# Altium PCB POETIC_Processor_V2.PcbDoc (part 3 of 4) (continued)
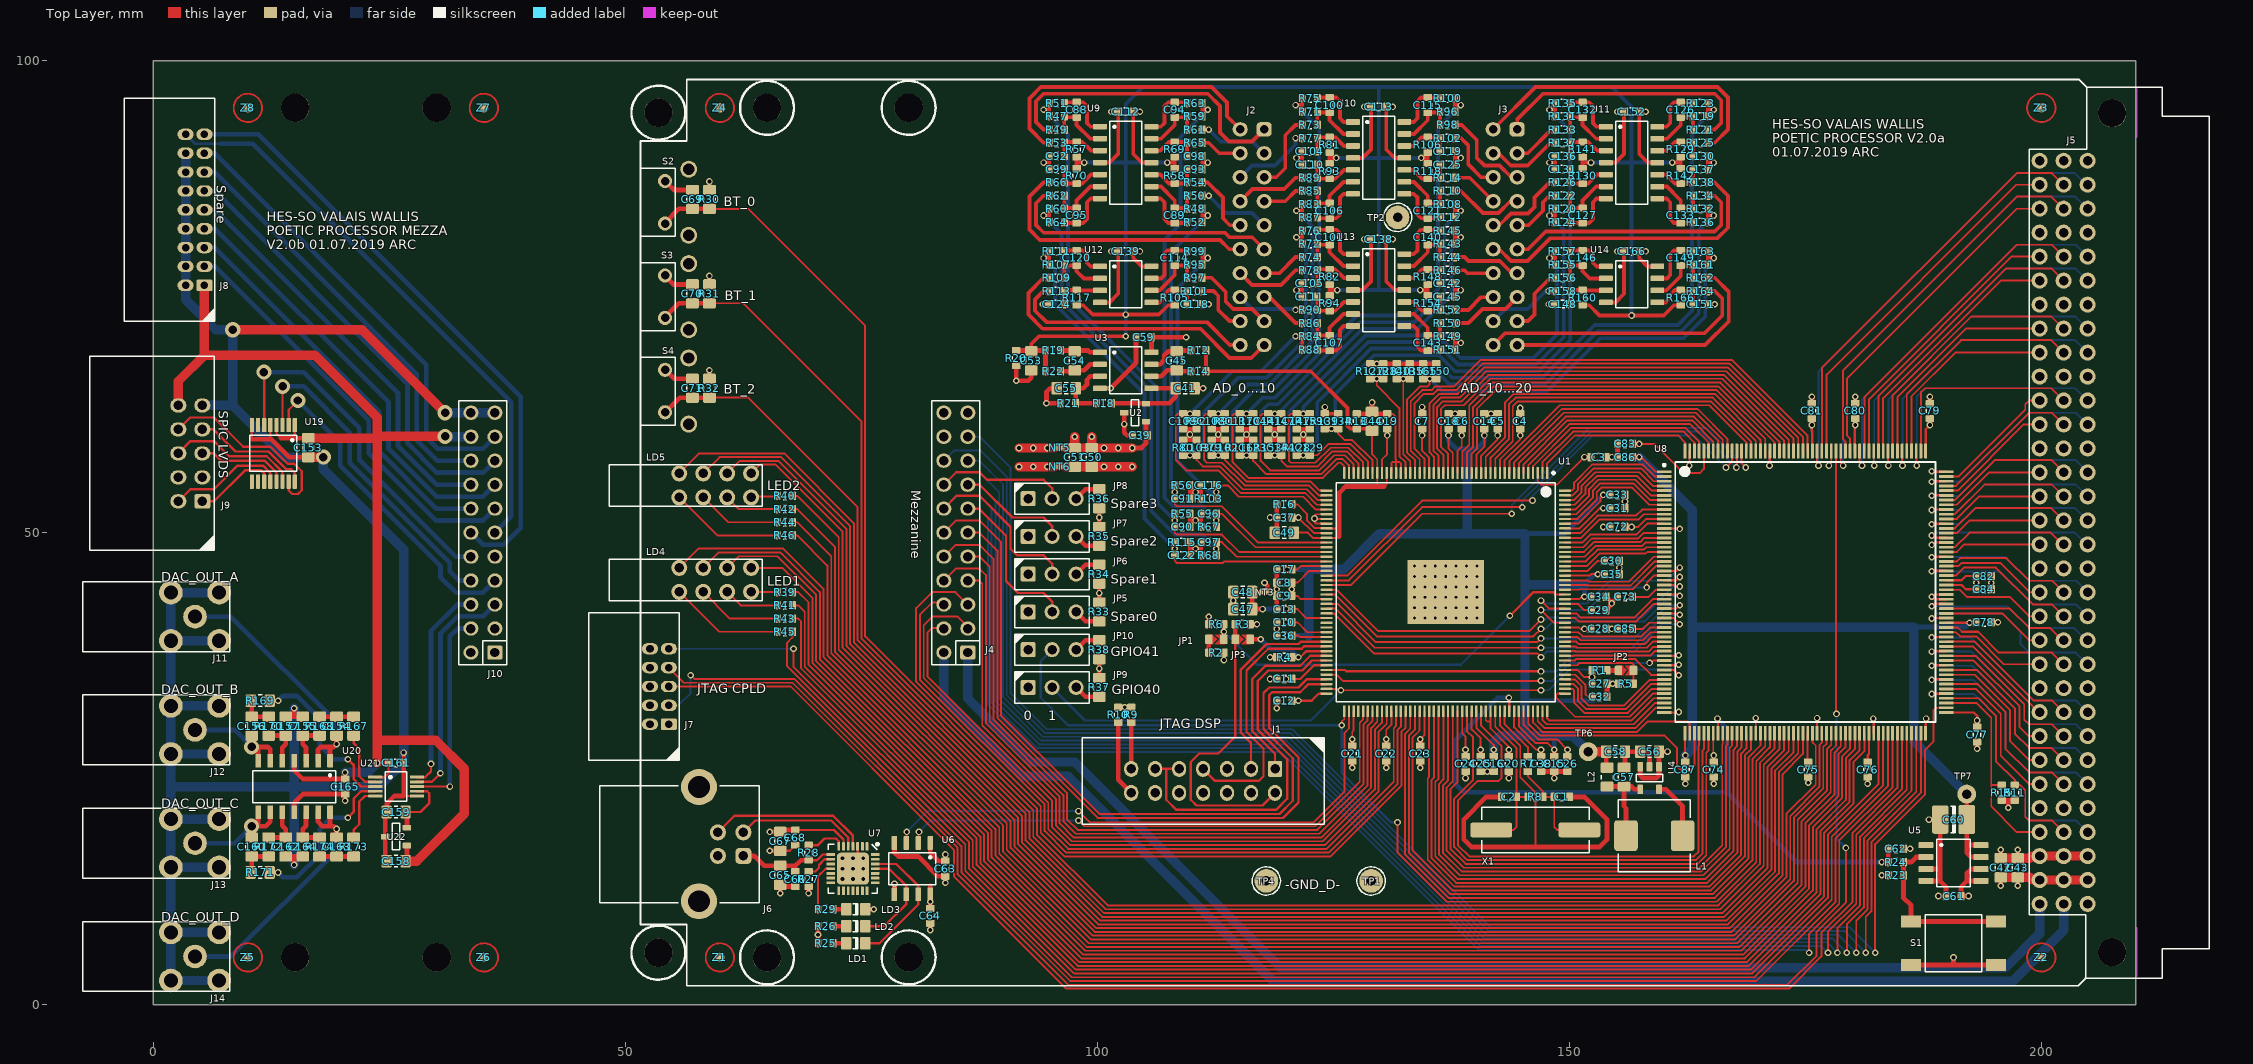
[diagram p0: Top Layer view]
## Nets (pads, with @x,y where several pads share a name; then routed paths per layer and width w, separated by ;. In a path a pad name is that pad's centre, name@x,y a point inside that pad or via, vN(x,y) a via of type N, cw(c..) or ccw(c..) an arc to the next point about the centre after c; other vN are vias at no path point) (continued)
  Bottom Layer w0.2: v1(147,38.8) 156.9,38.8 160.4,42.3 v1(161.7,42.3)
GPIO34: U1.70 U8.31 | length 42.3
  Top Layer w0.2: U1.70@124.275,41.95 125.25,41.95 129.4,37.8 v1(147,37.8) ; U8.31@160.05,41.45 161.55,41.45 v1(161.7,41.3)
  Bottom Layer w0.2: v1(147,37.8) 156.6,37.8 160.1,41.3 v1(161.7,41.3)
GPIO35: U1.71 U8.32 | length 42.7
  Top Layer w0.2: U1.71@124.275,41.45 125.05,41.45 129.3,37.2 146.6,37.2 v1(147,36.8) ; U8.32@160.05,40.95 161.05,40.95 v1(161.7,40.3)
  Bottom Layer w0.2: v1(147,36.8) 147.6,37.4 156.9,37.4 159.8,40.3 v1(161.7,40.3)
GPIO36: U1.83 U8.40 | length 39.7
  Top Layer w0.2: U1.83@124.275,35.45 126.216,35.45 126.366,35.3 ; U8.40@160.05,36.95 161.55,36.95 v1(161.6,37)
  Top Layer w0.25: 126.366,35.3 v1(147,35.3)
  Bottom Layer w0.2: v1(147,35.3) 148.6,35.3 150.3,37 v1(161.6,37)
GPIO37: U1.84 U8.41 | length 36.9
  Top Layer w0.2: U1.84@124.275,34.95 125.35,34.95 126,34.3 v1(147,34.3) ; v1(158.5,36.2) 158.6,36.2 158.85,36.45 U8.41@160.05,36.45
  Bottom Layer w0.2: v1(147,34.3) 148.2,34.3 150.1,36.2 v1(158.5,36.2)
GPIO40: JP9.2 U1.87 U8.43 | length 73.6
  Top Layer w0.2: U1.87@124.275,33.45 v1@125.8,33.45 ; v1(125.8,33.3) v1(147,33.3) ; U8.43@160.05,35.45 161.05,35.45 v1(161.6,34.9)
  Bottom Layer w0.2: v1(147,33.3) 147.8,33.3 150,35.5 161,35.5 v1(161.6,34.9)
  Bottom Layer w0.25: JP9.2@95.2,33.6 98.7,30.1 122.6,30.1 v1(125.8,33.3)
GPIO41: JP10.2 U1.89 U8.71 | length 112.8
  Top Layer w0.2: v1(125.9,29.6) 125.9,30 126.15,30.25 U1.89@126.15,31.075 ; v1(131.8,19.3) 131.8,16.11 137.01,10.9 165.6,10.9 169.8,15.1 169.8,25.8 171.25,27.25 U8.71@171.25,28.75
  Bottom Layer w0.25: JP10.2@95.2,37.6 94,36.4 94,32.5 96.9,29.6 v1(125.9,29.6) 125.9,24.501 131.101,19.3 v1(131.8,19.3)
GPIO42: U1.130 U8.51 | length 15.6
  Top Layer w0.2: U1.130@146.65,31.075 146.65,30.041 147.391,29.3 157,29.3 159.15,31.45 U8.51@160.05,31.45
GPIO43: U1.131 U8.50 | length 14.9
  Top Layer w0.2: U1.131@147.15,31.075 147.15,30.178 147.628,29.7 156.8,29.7 159.05,31.95 U8.50@160.05,31.95
GPIO44: U1.113 U8.58 | length 56.1
  Top Layer w0.2: U1.113@138.15,31.075 138.15,23.55 137.4,22.8 137.4,16.5 139,14.9 163.6,14.9 164.5,15.8 164.5,26.7 164.75,26.95 U8.58@164.75,28.75
GPIO45: U1.115 U8.57 | length 55.5
  Top Layer w0.2: U1.115@139.15,31.075 139.15,28.95 139.8,28.3 139.8,23.8 137.8,21.8 137.8,16.7 139.2,15.3 163.4,15.3 164.1,16 164.1,26.9 164.25,27.05 U8.57@164.25,28.75
GPIO46: U1.128 U8.55 | length 25.7
  Top Layer w0.2: U1.128@145.65,31.075 145.65,29.768 146.918,28.5 160.1,28.5 161.4,27.2 161.4,25.3 161.8,24.9 162.85,24.9 163.25,25.3 U8.55@163.25,28.75
GPIO47: U1.129 U8.54 | length 19.7
  Top Layer w0.2: U1.129@146.15,31.075 146.15,29.905 147.155,28.9 157.2,28.9 158.3,30 162.5,30 162.75,29.75 U8.54@162.75,28.75
GPIO58: U1.103 U8.70 | length 69.8
  Top Layer w0.2: U1.103@133.15,31.075 133.15,29.25 132.6,28.7 132.6,15.876 137.176,11.3 165.424,11.3 169.4,15.276 169.4,26 170.75,27.35 U8.70@170.75,28.75
GPIO59: U1.104 U8.69 | length 68.4
  Top Layer w0.2: U1.104@133.65,31.075 133.65,29.15 133,28.5 133,16.1 137.4,11.7 165.2,11.7 169,15.5 169,26.2 170.25,27.45 U8.69@170.25,28.75
GPIO60: U1.105 U8.67 | length 66.8
  Top Layer w0.2: U1.105@134.15,31.075 134.125,31.05 134.125,29.025 133.4,28.3 133.4,16.3 137.6,12.1 165,12.1 168.6,15.7 168.6,26.4 169.25,27.05 U8.67@169.25,28.75
GPIO61: U1.107 U8.66 | length 64.7
  Top Layer w0.2: U1.107@135.15,31.075 135.15,24.116 135,23.966 135,15.334 137.834,12.5 164.8,12.5 168.2,15.9 168.2,26.6 168.75,27.15 U8.66@168.75,28.75
GPIO62: U1.108 U8.65 | length 63.3
  Top Layer w0.2: U1.108@135.65,31.075 135.65,24.05 135.4,23.8 135.4,15.5 138,12.9 164.6,12.9 167.8,16.1 167.8,26.8 168.25,27.25 U8.65@168.25,28.75
GPIO63: U1.109 U8.64 | length 62
  Top Layer w0.2: U1.109@136.15,31.075 136.15,23.95 135.8,23.6 135.8,15.7 138.2,13.3 164.4,13.3 167.4,16.3 167.4,27 167.75,27.35 U8.64@167.75,28.75
GPIO64: U1.110 U8.63 | length 60.6
  Top Layer w0.2: U1.110@136.65,31.075 136.65,23.85 136.2,23.4 136.2,15.9 138.4,13.7 164.2,13.7 167,16.5 167,27.2 167.25,27.45 U8.63@167.25,28.75
GPIO65: U1.111 U8.62 | length 59.2
  Top Layer w0.2: U1.111@137.15,31.075 137.15,23.75 136.6,23.2 136.6,16.1 138.6,14.1 164,14.1 166.6,16.7 166.6,27.4 166.75,27.55 U8.62@166.75,28.75
GPIO66: U1.112 U8.61 | length 57.9
  Top Layer w0.2: U1.112@137.65,31.075 137.65,23.65 137,23 137,16.3 138.8,14.5 163.8,14.5 166.2,16.9 166.2,27.5 166.2,27.566 166.25,27.616 U8.61@166.25,28.75
GPIO67: U1.132 U8.49 | length 14.2
  Top Layer w0.2: U1.132@147.65,31.075 147.65,30.314 147.864,30.1 156.6,30.1 158.95,32.45 U8.49@160.05,32.45
GPIO68: U1.133 U8.48 | length 14.6
  Top Layer w0.2: U1.133@149.525,32.95 148.75,32.95 148.6,32.8 148.6,32.5 150.6,30.5 156.4,30.5 158.85,32.95 U8.48@160.05,32.95
GPIO69: U1.134 U8.47 | length 13.4
  Top Layer w0.2: U1.134@149.525,33.45 149.55,33.425 150.375,33.425 150.5,33.3 150.5,32 151.6,30.9 156.2,30.9 158.75,33.45 U8.47@160.05,33.45
GPIO70: U1.135 U8.46 | length 13.5
  Top Layer w0.2: U1.135@149.525,33.95 150.45,33.95 150.9,33.5 150.9,32.2 151.8,31.3 156,31.3 158.65,33.95 U8.46@160.05,33.95
GPIO71: U1.136 U8.45 | length 13.6
  Top Layer w0.2: U1.136@149.525,34.45 150.55,34.45 151.3,33.7 151.3,32.4 152,31.7 155.8,31.7 158.5,34.4 160,34.4 U8.45@160.05,34.45
GPIO72: JP2.2 R5.2 U1.139 | length 9.5
  Top Layer w0.2: U1.139@149.525,35.95 150.85,35.95 151.1,36.2 156.6,36.2 156.8,36 JP2.2@156.8,35.4 R5.2@156.8,34
GPIO74: U1.141 U8.39 | length 10.7
  Top Layer w0.2: U1.141@149.525,36.95 150.45,36.95 150.5,37 158.6,37 159.05,37.45 U8.39@160.05,37.45
GPIO75: U1.142 U8.38 | length 10.8
  Top Layer w0.2: U1.142@149.525,37.45 150.619,37.45 150.669,37.4 158.4,37.4 158.9,37.9 160,37.9 U8.38@160.05,37.95
GPIO76: U1.143 U8.37 | length 10.9
  Top Layer w0.2: U1.143@149.525,37.95 150.684,37.95 150.834,37.8 158.2,37.8 158.85,38.45 U8.37@160.05,38.45
GPIO77: U1.144 U8.36 | length 10.9
  Top Layer w0.2: U1.144@149.525,38.45 150.75,38.45 151,38.2 158,38.2 158.75,38.95 U8.36@160.05,38.95
GPIO78: U1.145 U8.35 | length 11
  Top Layer w0.2: U1.145@149.525,38.95 150.85,38.95 151.2,38.6 157.8,38.6 158.65,39.45 U8.35@160.05,39.45
GPIO79: U1.146 U8.34 | length 11.1
  Top Layer w0.2: U1.146@149.525,39.45 150.95,39.45 151.4,39 157.6,39 158.55,39.95 U8.34@160.05,39.95
GPIO80: U1.148 U8.23 | length 17.9
  Top Layer w0.2: v1(147,41.8) 148.35,40.45 U1.148@149.525,40.45 ; v1(158.2,44.2) 158.2,44.7 158.95,45.45 U8.23@160.05,45.45
  Bottom Layer w0.2: v1(147,41.8) 151.9,41.8 154.3,44.2 v1(158.2,44.2)
GPIO81: U1.149 U8.29 | length 11.4
  Top Layer w0.2: U1.149@149.525,40.95 150.65,40.95 151,40.6 157.1,40.6 158.95,42.45 U8.29@160.05,42.45
GPIO82: U1.150 U8.28 | length 11.5
  Top Layer w0.2: U1.150@149.525,41.45 150.75,41.45 151.2,41 156.9,41 158.85,42.95 U8.28@160.05,42.95
GPIO83: U1.151 U8.22 | length 21.1
  Top Layer w0.2: v1(147,42.8) 147.85,41.95 U1.151@149.525,41.95 ; U8.22@160.05,45.95 161.35,45.95 v1(161.7,46.3)
  Bottom Layer w0.2: v1(147,42.8) 147.3,42.5 151.89,42.5 154.29,44.9 160.3,44.9 v1(161.7,46.3)
GPIO84: JP1.2 R6.2 U1.154 | length 42.5
  Top Layer w0.25: v1(143.7,41.2) 146.2,43.7 148.3,43.7 148.55,43.45 U1.154@149.525,43.45
  Top Layer w0.5: JP1.2@113.4,38.7 v1(113.4,39.5) R6.2@113.4,40.3
  Bottom Layer w0.25: v1(113.4,39.5) 116.9,36 138.5,36 v1(143.7,41.2)
GPIO85: U1.155 U8.21 | length 11.6
  Top Layer w0.2: U1.155@149.525,43.95 151.05,43.95 151.1,44 156.7,44 159.15,46.45 U8.21@160.05,46.45
GPIO86: U1.156 U8.20 | length 11.6
  Top Layer w0.2: U1.156@149.525,44.45 151.884,44.45 151.934,44.4 156.5,44.4 159.05,46.95 U8.20@160.05,46.95
GPIO87: U1.157 U8.19 | length 11.7
  Top Layer w0.2: U1.157@149.525,44.95 151.95,44.95 152.1,44.8 156.3,44.8 158.95,47.45 U8.19@160.05,47.45
GPIO88: U1.170 U8.8 | length 13.1
  Top Layer w0.2: U1.170@149.525,51.45 150.85,51.45 152.9,53.5 152.9,54.29 153.41,54.8 156.6,54.8 158.45,52.95 U8.8@160.05,52.95
GPIO89: U1.171 U8.7 | length 13
  Top Layer w0.2: U1.171@149.525,51.95 150.75,51.95 152.5,53.7 152.5,54.456 153.244,55.2 156.8,55.2 158.55,53.45 U8.7@160.05,53.45
GPIO90: U1.172 U8.6 | length 12.9
  Top Layer w0.2: U1.172@149.525,52.45 150.65,52.45 152.1,53.9 152.1,54.621 153.079,55.6 157,55.6 158.65,53.95 U8.6@160.05,53.95
GPIO91: U1.173 U8.5 | length 12.8
  Top Layer w0.2: U1.173@149.525,52.95 150.55,52.95 151.7,54.1 151.7,54.787 152.913,56 157.2,56 158.75,54.45 U8.5@160.05,54.45
GPIO92: U1.174 U8.4 | length 12.7
  Top Layer w0.2: U1.174@149.525,53.45 150.45,53.45 151.3,54.3 151.3,54.953 152.747,56.4 157.4,56.4 158.85,54.95 U8.4@160.05,54.95
GPIO93: U1.175 U8.3 | length 12.7
  Top Layer w0.2: U1.175@149.55,53.975 U1.175@149.525,53.95 150.35,53.95 150.9,54.5 150.9,55.118 152.582,56.8 157.6,56.8 158.95,55.45 U8.3@160.05,55.45
GPIO94: U1.176 U8.2 | length 12.5
  Top Layer w0.2: U1.176@149.525,54.45 150.25,54.45 150.5,54.7 150.5,55.3 152.4,57.2 157.8,57.2 159.05,55.95 U8.2@160.05,55.95
GPIO99: U1.17 U8.191 | length 41.8
  Top Layer w0.2: U1.17@139.65,56.325 139.65,58.35 140.2,58.9 140.2,63.1 142.2,65.1 165.6,65.1 170.75,59.95 U8.191@170.75,58.65
GPIO133: U1.118 U8.56 | length 57
  Top Layer w0.2: U1.118@140.65,31.075 140.65,29.55 142.8,27.4 142.8,24 142.5,23.7 140.3,23.7 138.2,21.6 138.2,16.9 139.4,15.7 163.2,15.7 163.7,16.2 163.7,27.4 163.75,27.45 U8.56@163.75,28.75
JTAG_TRST: J1.2 JP3.1 R3.2 | length 31.2
  Top Layer w0.25: JP3.1@114.6,38.7 114.6,28.4 112.8,26.6 110.8,26.6 109.9,25.7 109.9,21.7 110.5,21.1 117.49,21.1 J1.2@118.82,22.43
  Top Layer w0.5: JP3.1@114.6,38.9 R3.2@114.6,40.3
LED1_0_GREEN: R39.1 U8.89 | length 151.8
  Top Layer w0.2: R39.1@67.7,43.7 68.3,43.7 69.4,42.6 69.4,36 87.6,17.8 87.6,15 98.1,4.5 168.8,4.5 176.2,11.9 176.2,18.576 179.3,21.676 179.3,21.7 179.3,26.1 180.25,27.05 U8.89@180.25,28.75
LED1_0_RED: LD4.8 U8.88 | length 156.6
  Top Layer w0.2: LD4.8@63.32,46.271 66.629,46.271 69.8,43.1 69.8,36.2 88,18 88,15.2 98.3,4.9 168.6,4.9 175.8,12.1 175.8,18.8 178.9,21.9 178.9,26.3 179.75,27.15 U8.88@179.75,28.75
LED1_1_GREEN: R41.1 U8.90 | length 151.7
  Top Layer w0.2: R41.1@67.7,42.3 68.3,42.3 69,41.6 69,35.8 87.2,17.6 87.2,14.8 97.9,4.1 169,4.1 176.6,11.7 176.6,18.376 179.7,21.476 ; 179.7,21.5 179.7,21.476 ; U8.90@180.75,28.75 180.75,26.95 179.7,25.9 179.7,21.476
LED1_1_RED: LD4.6 U8.87 | length 159.3
  Top Layer w0.2: LD4.6@60.78,46.27 62.01,47.5 66.1,47.5 70.2,43.4 70.2,36.4 88.4,18.2 88.4,15.4 98.5,5.3 168.4,5.3 175.4,12.3 175.4,18.976 178.5,22.076 178.5,26.5 179.25,27.25 U8.87@179.25,28.75
LED1_2_GREEN: R43.1 U8.91 | length 151.5
  Top Layer w0.2: R43.1@67.7,40.9 68.3,40.9 68.6,40.6 68.6,37.966 68.6,35.634 86.8,17.434 86.8,14.6 97.7,3.7 169.2,3.7 177,11.5 177,18.2 180.1,21.3 180.1,25.7 181.25,26.85 U8.91@181.25,28.75
LED1_2_RED: LD4.4 U8.86 | length 161.3
  Top Layer w0.2: LD4.4@58.24,46.27 59.87,47.9 66.4,47.9 70.6,43.7 70.6,36.6 88.8,18.4 88.8,15.6 98.7,5.7 168.2,5.7 175,12.5 175,19.2 178.1,22.3 178.1,26.7 178.75,27.35 U8.86@178.75,28.75
LED1_3_GREEN: R45.1 U8.95 | length 153.2
  Top Layer w0.2: R45.1@67.7,39.5 67.7,38.9 67.1,38.3 67.1,35.9 86,17 86,14.2 97.3,2.9 169.6,2.9 177.8,11.1 177.8,17.8 183.25,23.25 U8.95@183.25,28.75
LED1_3_RED: LD4.2 U8.85 | length 163.4
  Top Layer w0.2: LD4.2@55.7,46.27 57.73,48.3 66.7,48.3 71,44 71,36.8 89.2,18.6 89.2,15.8 98.9,6.1 168,6.1 174.6,12.7 174.6,19.4 177.7,22.5 177.7,26.9 178.25,27.45 U8.85@178.25,28.75
LED2_0_GREEN: R40.1 U8.80 | length 152.1
  Top Layer w0.2: R40.1@67.7,53.9 68.2,53.9 72.6,49.5 72.6,37.6 90.8,19.4 90.8,16.6 99.7,7.7 167.2,7.7 173,13.5 173,20.2 176.1,23.3 176.1,27.45 175.75,27.8 U8.80@175.75,28.75
LED2_0_RED: LD5.8 U8.78 | length 157.1
  Top Layer w0.2: LD5.8@63.32,56.27 64.25,57.2 65.9,57.2 73,50.1 73,37.8 91.2,19.6 91.2,16.8 99.9,8.1 167,8.1 172.6,13.7 172.6,24.4 174.75,26.55 U8.78@174.75,28.75
LED2_1_GREEN: R42.1 U8.82 | length 151.9
  Top Layer w0.2: R42.1@67.7,52.5 68.2,52.5 72.2,48.5 72.2,37.4 90.4,19.2 90.4,16.4 99.5,7.3 167.4,7.3 173.4,13.3 173.4,19.976 176.5,23.076 176.5,27.5 176.75,27.75 U8.82@176.75,28.75
LED2_1_RED: LD5.6 U8.77 | length 159.1
  Top Layer w0.2: LD5.6@60.78,56.27 62.11,57.6 66.2,57.6 73.4,50.4 73.4,38 91.6,19.8 91.6,17 100.1,8.5 166.8,8.5 172.2,13.9 172.2,24.6 174.25,26.65 U8.77@174.25,28.75
LED2_2_GREEN: R44.1 U8.83 | length 151.7
  Top Layer w0.2: R44.1@67.7,51.1 68.2,51.1 71.8,47.5 71.8,37.2 90,19 90,16.2 99.3,6.9 167.6,6.9 173.8,13.1 173.8,19.8 176.9,22.9 176.9,27.3 177.25,27.65 U8.83@177.25,28.75
LED2_2_RED: LD5.4 U8.76 | length 161.2
  Top Layer w0.2: LD5.4@58.24,56.27 59.97,58 66.5,58 73.8,50.7 73.8,38.2 92,20 92,17.2 100.3,8.9 166.6,8.9 171.8,14.1 171.8,24.8 173.75,26.75 U8.76@173.75,28.75
LED2_3_GREEN: R46.1 U8.84 | length 151.6
  Top Layer w0.2: R46.1@67.7,49.7 68.2,49.7 71.4,46.5 71.4,37 89.6,18.8 89.6,16 99.1,6.5 167.8,6.5 174.2,12.9 174.2,19.6 177.3,22.7 177.3,27.1 177.75,27.55 U8.84@177.75,28.75
LED2_3_RED: LD5.2 U8.75 | length 163.2
  Top Layer w0.2: LD5.2@55.7,56.27 57.83,58.4 66.8,58.4 74.2,51 74.2,38.4 92.4,20.2 92.4,17.4 100.5,9.3 166.4,9.3 171.4,14.3 171.4,25 173.25,26.85 U8.75@173.25,28.75
MEAS_0_MINUS: J2.1 R49.1 | length 32.7
  Top Layer w0.4: R49.1@94.9,92.7 94.3,92.7 93.5,93.5 93.5,95.7 94.3,96.5 111.7,96.5 113,95.2 113,92.4 113.96,91.44 116.38,91.44 J2.1@117.67,92.73
MEAS_0_PLUS: J2.2 R53.1 | length 31.4
  Top Layer w0.4: R53.1@94.9,91.3 94.3,91.3 92.8,92.8 92.8,96 94,97.2 112.1,97.2 113.74,95.56 113.74,94.12 J2.2@115.13,92.73
MEAS_1_MINUS: J2.3 R61.1 | length 7.6
  Top Layer w0.4: R61.1@111.1,92.7 v1(111.8,92.7)
  Bottom Layer w0.4: v1(111.8,92.7) 113.06,91.44 116.42,91.44 J2.3@117.67,90.19
MEAS_1_PLUS: J2.4 R65.1 | length 4.5
  Top Layer w0.4: R65.1@111.1,91.3 111.8,91.3 112.91,90.19 J2.4@115.13,90.19
MEAS_2_MINUS: J2.5 R73.1 | length 8.4
  Top Layer w0.4: J2.5@117.67,87.65 118.95,87.65 119.9,88.6 119.9,92.1 121,93.2 R73.1@121.7,93.2
MEAS_2_PLUS: J2.6 R77.1 | length 8.7
  Top Layer w0.4: v1(121,91.8) R77.1@121.7,91.8
  Bottom Layer w0.4: J2.6@115.13,87.65 116.38,88.9 118.8,88.9 121,91.1 v1(121,91.8)
MEAS_3_MINUS: J2.7 R85.1 | length 4.5
  Top Layer w0.4: J2.7@117.67,85.11 119.91,85.11 121,86.2 R85.1@121.7,86.2
MEAS_3_PLUS: J2.8 R89.1 | length 7.6
  Top Layer w0.4: J2.8@115.13,85.11 116.42,86.4 119.8,86.4 121,87.6 R89.1@121.7,87.6
MEAS_4_MINUS: J2.9 R50.1 | length 7.9
  Top Layer w0.4: R50.1@111.1,85.7 v1(111.8,85.7)
  Bottom Layer w0.4: v1(111.8,85.7) 113.64,83.86 116.38,83.86 J2.9@117.67,82.57
MEAS_4_PLUS: J2.10 R54.1 | length 7.2
  Top Layer w0.4: R54.1@111.1,87.1 111.7,87.1 113.3,85.5 113.3,83.3 114.03,82.57 J2.10@115.13,82.57
MEAS_5_MINUS: J2.11 R62.1 | length 29.3
  Top Layer w0.4: R62.1@94.9,85.7 94.3,85.7 93.5,84.9 93.5,82.6 94.32,81.78 113.52,81.78 114,81.3 116.4,81.3 J2.11@117.67,80.03
MEAS_5_PLUS: J2.12 R66.1 | length 29.4
  Top Layer w0.4: R66.1@94.9,87.1 94.3,87.1 92.8,85.6 92.8,82.1 93.9,81 113,81 113.97,80.03 J2.12@115.13,80.03
MEAS_6_MINUS: J2.13 R74.1 | length 4.7
  Top Layer w0.4: J2.13@117.67,77.49 119.29,77.49 121,79.2 R74.1@121.7,79.2
MEAS_6_PLUS: J2.14 R78.1 | length 7.7
  Top Layer w0.4: J2.14@115.13,77.49 116.38,76.24 119.44,76.24 121,77.8 R78.1@121.7,77.8
MEAS_7_MINUS: J2.15 R86.1 | length 5.2
  Top Layer w0.4: J2.15@117.67,74.95 118.25,74.95 121,72.2 R86.1@121.7,72.2
MEAS_7_PLUS: J2.16 R90.1 | length 7.1
  Top Layer w0.4: v1(121,73.6) R90.1@121.7,73.6
  Bottom Layer w0.4: J2.16@115.13,74.95 116.38,73.7 120.9,73.7 v1(121,73.6)
MEAS_8_MINUS: J2.17 R97.1 | length 9.1
  Top Layer w0.4: R97.1@111.1,77 112.1,77 113.6,75.5 113.6,74.5 114.4,73.7 116.38,73.7 J2.17@117.67,72.41
MEAS_8_PLUS: J2.18 R101.1 | length 6.2
  Top Layer w0.4: R101.1@111.1,75.6 112.3,75.6 112.8,75.1 112.8,73.6 113.99,72.41 J2.18@115.13,72.41
MEAS_9_MINUS: J2.19 R109.1 | length 32.6
  Top Layer w0.4: R109.1@94.9,77 94.3,77 92.7,75.4 92.7,73.1 94.2,71.6 110.91,71.6 114.01,68.5 116.3,68.5 J2.19@117.67,69.87
MEAS_9_PLUS: J2.20 R113.1 | length 26.3
  Top Layer w0.4: R113.1@94.9,75.6 94.3,75.6 93.4,74.7 93.4,73.5 94.6,72.3 111.6,72.3 114.03,69.87 J2.20@115.13,69.87
MEAS_10_MINUS: J3.1 R121.1 | length 28.2
  Top Layer w0.4: J3.1@144.47,92.73 144.47,93.77 147.2,96.5 165.4,96.5 166.1,95.8 166.1,93.4 165.4,92.7 R121.1@164.7,92.7
MEAS_10_PLUS: J3.2 R125.1 | length 33.3
  Top Layer w0.4: J3.2@141.93,92.73 146.4,97.2 165.7,97.2 166.8,96.1 166.8,92.7 165.4,91.3 R125.1@164.7,91.3
MEAS_11_MINUS: J3.3 R133.1 | length 5.1
  Top Layer w0.4: J3.3@144.47,90.19 145.59,90.19 148.1,92.7 R133.1@148.5,92.7
MEAS_11_PLUS: J3.4 R137.1 | length 8.1
  Top Layer w0.4: J3.4@141.93,90.19 142.51,90.19 143.8,88.9 145.6,88.9 148,91.3 R137.1@148.5,91.3
MEAS_12_MINUS: J3.5 R98.1 | length 10
  Top Layer w0.4: R98.1@137.9,93.2 138.6,93.2 140.2,91.6 140.2,89.7 141,88.9 142.6,88.9 143.85,87.65 J3.5@144.47,87.65
MEAS_12_PLUS: J3.6 R102.1 | length 6.9
  Top Layer w0.4: R102.1@137.9,91.8 138.5,91.8 139.3,91 139.3,89 140.65,87.65 J3.6@141.93,87.65
MEAS_13_MINUS: J3.7 R110.1 | length 8.1
  Top Layer w0.4: R110.1@137.9,86.2 138.5,86.2 140.84,83.86 142.498,83.86 143.748,85.11 J3.7@144.47,85.11
MEAS_13_PLUS: J3.8 R114.1 | length 5.1
  Top Layer w0.4: R114.1@137.9,87.6 139.44,87.6 J3.8@141.93,85.11
MEAS_14_MINUS: J3.9 R122.1 | length 5.9
  Top Layer w0.4: J3.9@144.47,82.57 145.67,82.57 147.2,84.1 147.2,85 147.9,85.7 R122.1@148.5,85.7
MEAS_14_PLUS: J3.10 R126.1 | length 9
  Top Layer w0.4: J3.10@141.93,82.57 142.57,82.57 143.82,83.82 145.62,83.82 146.3,84.5 146.3,85.5 147.9,87.1 R126.1@148.5,87.1
MEAS_15_MINUS: J3.11 R134.1 | length 26.8
  Top Layer w0.4: J3.11@144.47,80.03 145.63,80.03 147.5,81.9 165.4,81.9 166.1,82.6 166.1,85 165.4,85.7 R134.1@164.7,85.7
MEAS_15_PLUS: J3.12 R138.1 | length 32.9
  Top Layer w0.4: J3.12@141.93,80.03 142.57,80.03 143.82,78.78 145.58,78.78 148,81.2 165.7,81.2 166.8,82.3 166.8,85.7 165.4,87.1 R138.1@164.7,87.1
MEAS_16_MINUS: J3.13 R144.1 | length 7.3
  Top Layer w0.4: R144.1@137.9,79.2 138.9,79.2 139.32,78.78 142.62,78.78 143.91,77.49 J3.13@144.47,77.49
MEAS_16_PLUS: J3.14 R146.1 | length 4.2
  Top Layer w0.4: R146.1@137.9,77.8 138.9,77.8 139.21,77.49 J3.14@141.93,77.49
MEAS_17_MINUS: J3.15 R150.1 | length 7.7
  Top Layer w0.4: R150.1@137.9,72.2 139.3,72.2 140.8,73.7 143.22,73.7 J3.15@144.47,74.95
MEAS_17_PLUS: J3.16 R152.1 | length 4.6
  Top Layer w0.4: R152.1@137.9,73.6 139.3,73.6 140.65,74.95 J3.16@141.93,74.95
MEAS_18_MINUS: J3.17 R156.1 | length 7.2
  Top Layer w0.4: J3.17@144.47,72.41 145.61,72.41 146.3,73.1 146.3,75.3 148,77 R156.1@148.5,77
MEAS_18_PLUS: J3.18 R158.1 | length 7.9
  Top Layer w0.4: v1(147.8,75.6) R158.1@148.5,75.6
  Bottom Layer w0.4: J3.18@141.93,72.41 143.22,73.7 145.6,73.7 147.5,75.6 v1(147.8,75.6)
MEAS_19_MINUS: J3.19 R162.1 | length 29.4
  Top Layer w0.4: J3.19@144.47,69.87 164.37,69.87 166.9,72.4 166.9,75.5 165.4,77 R162.1@164.7,77
MEAS_19_PLUS: J3.20 R164.1 | length 29.2
  Top Layer w0.4: J3.20@141.93,69.87 143.18,71.12 164.32,71.12 166.2,73 166.2,74.802 165.402,75.6 R164.1@164.7,75.6
NetC1_2: C1.2 R7.1 R8.2 X1.2 | length 10.6
  Top Layer w0.2: R7.1@145.6,24.7 145.6,24.2 147.2,22.6 R8.2@147.2,22 C1.2@148.4,22 148.4,18.8 148.7,18.5 X1.2@151.075,18.5
NetC2_2: C2.2 R8.1 U1.121 X1.1 | length 17.2
  Top Layer w0.2: X1.1@141.725,18.5 144.1,18.5 144.4,18.8 C2.2@144.4,22 ; U1.121@142.15,31.075 142.15,29.45 144.4,27.2 144.4,22.7 C2.2@144.4,22 ; R8.1@145.6,22 C2.2@144.4,22
NetC41_2: C41.2 R18.2 U2.2 U3.5 | length 10.6
  Top Layer w0.5: R18.2@101.5,63.7 107.6,63.7 108.3,64.4 C41.2@108.3,65.295 U3.5@105.725,65.295
NetC45_1: C45.1 R14.2 U3.6 | length 4.5
  Top Layer w0.5: U3.6@105.725,66.565 106.765,66.565 107.4,67.2 C45.1@108.4,67.2 108.5,67.1 R14.2@109.9,67.1
NetC45_2: C45.2 R12.2 U3.7 | length 5.1
  Top Layer w0.5: U3.7@105.725,67.835 106.635,67.835 107.1,68.3 107.1,68.8 107.5,69.2 C45.2@108.4,69.2 108.5,69.3 R12.2@109.9,69.3
NetC54_1: C54.1 R22.2 U3.2 | length 4.5
  Top Layer w0.5: R22.2@96.1,67.1 97.5,67.1 C54.1@97.6,67.2 98.6,67.2 99.235,67.835 U3.2@100.275,67.835
NetC54_2: C54.2 R19.2 U3.1 | length 4.3
  Top Layer w0.5: R19.2@96.1,69.3 99,69.3 99.195,69.105 U3.1@100.275,69.105
NetC55_2: C55.2 R18.1 R21.1 U3.3 | length 7.2
  Top Layer w0.5: R18.1@99.9,63.7 R21.1@97.7,63.7 C55.2@97.7,65.3 98.5,65.3 98.9,65.7 98.9,66.2 99.265,66.565 U3.3@100.275,66.565
NetC57_2: C57.2 L1.2 L2.1 U4.4 | length 8.9
  Top Layer w0.5: L2.1@154,23.1 C57.2@155.8,23.1 ; L1.2@156,17.9 156,20.8 155.8,21 C57.2@155.8,23.1 ; U4.4@157.5,22.8 156.9,22.8 156.6,23.1 C57.2@155.8,23.1
NetC88_1: C88.1 R51.1 U9.1 | length 5.9
  Top Layer w0.4: R51.1@96.5,95.5 96.6,95.6 C88.1@97.8,95.6 98.5,95.6 98.9,95.2 98.9,93.4 99.29,93.01 U9.1@100.275,93.01
NetC88_2: C88.2 R47.1 R49.2 U9.2 | length 6.6
  Top Layer w0.4: R49.2@96.5,92.7 R47.1@96.5,94.1 96.6,94 C88.2@97.8,94 97.8,93.2 99.26,91.74 U9.2@100.275,91.74
NetC89_1: C89.1 R52.1 U9.8 | length 5.9
  Top Layer w0.4: U9.8@105.725,85.39 106.71,85.39 107.1,85 107.1,83.2 107.5,82.8 C89.1@108.2,82.8 109.4,82.8 R52.1@109.5,82.9
NetC89_2: C89.2 R48.1 R50.2 U9.9 | length 6.6
  Top Layer w0.4: U9.9@105.725,86.66 106.74,86.66 108.2,85.2 C89.2@108.2,84.4 109.4,84.4 R48.1@109.5,84.3 R50.2@109.5,85.7
NetC92_2: C92.2 R53.2 R57.1 U9.3 | length 5.6
  Top Layer w0.4: C92.2@96.5,89.9 R53.2@96.5,91.3 96.6,91.4 R57.1@97.8,91.4 98.4,91.4 99.33,90.47 U9.3@100.275,90.47
NetC93_2: C93.2 R54.2 R58.1 U9.10 | length 5.6
  Top Layer w0.4: U9.10@105.725,87.93 106.67,87.93 107.6,87 R58.1@108.2,87 109.4,87 R54.2@109.5,87.1 C93.2@109.5,88.5
NetC94_1: C94.1 R63.1 U9.14 | length 5.9
  Top Layer w0.4: U9.14@105.725,93.01 106.71,93.01 107.1,93.4 107.1,95.2 107.5,95.6 C94.1@108.2,95.6 109.4,95.6 R63.1@109.5,95.5
NetC94_2: C94.2 R59.1 R61.2 U9.13 | length 6.6
  Top Layer w0.4: U9.13@105.725,91.74 106.74,91.74 108.2,93.2 C94.2@108.2,94 109.4,94 R59.1@109.5,94.1 R61.2@109.5,92.7
NetC95_1: C95.1 R64.1 U9.7 | length 5.9
  Top Layer w0.4: R64.1@96.5,82.9 96.6,82.8 C95.1@97.8,82.8 98.5,82.8 98.9,83.2 98.9,85 99.29,85.39 U9.7@100.275,85.39
NetC95_2: C95.2 R60.1 R62.2 U9.6 | length 6.6
  Top Layer w0.4: R62.2@96.5,85.7 R60.1@96.5,84.3 96.6,84.4 C95.2@97.8,84.4 97.8,85.2 99.26,86.66 U9.6@100.275,86.66
NetC98_2: C98.2 R65.2 R69.1 U9.12 | length 5.6
  Top Layer w0.4: U9.12@105.725,90.47 106.67,90.47 107.6,91.4 R69.1@108.2,91.4 109.4,91.4 R65.2@109.5,91.3 C98.2@109.5,89.9
NetC99_2: C99.2 R66.2 R70.1 U9.5 | length 5.6
  Top Layer w0.4: C99.2@96.5,88.5 R66.2@96.5,87.1 96.6,87 R70.1@97.8,87 98.4,87 99.33,87.93 U9.5@100.275,87.93
NetC100_1: C100.1 R75.1 U10.1 | length 5.9
  Top Layer w0.4: R75.1@123.3,96 123.4,96.1 C100.1@124.6,96.1 125.3,96.1 125.7,95.7 125.7,93.9 126.09,93.51 U10.1@127.075,93.51
NetC100_2: C100.2 R71.1 R73.2 U10.2 | length 6.6
  Top Layer w0.4: R73.2@123.3,93.2 R71.1@123.3,94.6 123.4,94.5 C100.2@124.6,94.5 124.6,93.7 126.06,92.24 U10.2@127.073,92.24